# Altium PCB PCB_1313.PcbDoc (part 1 of 2) (continued)
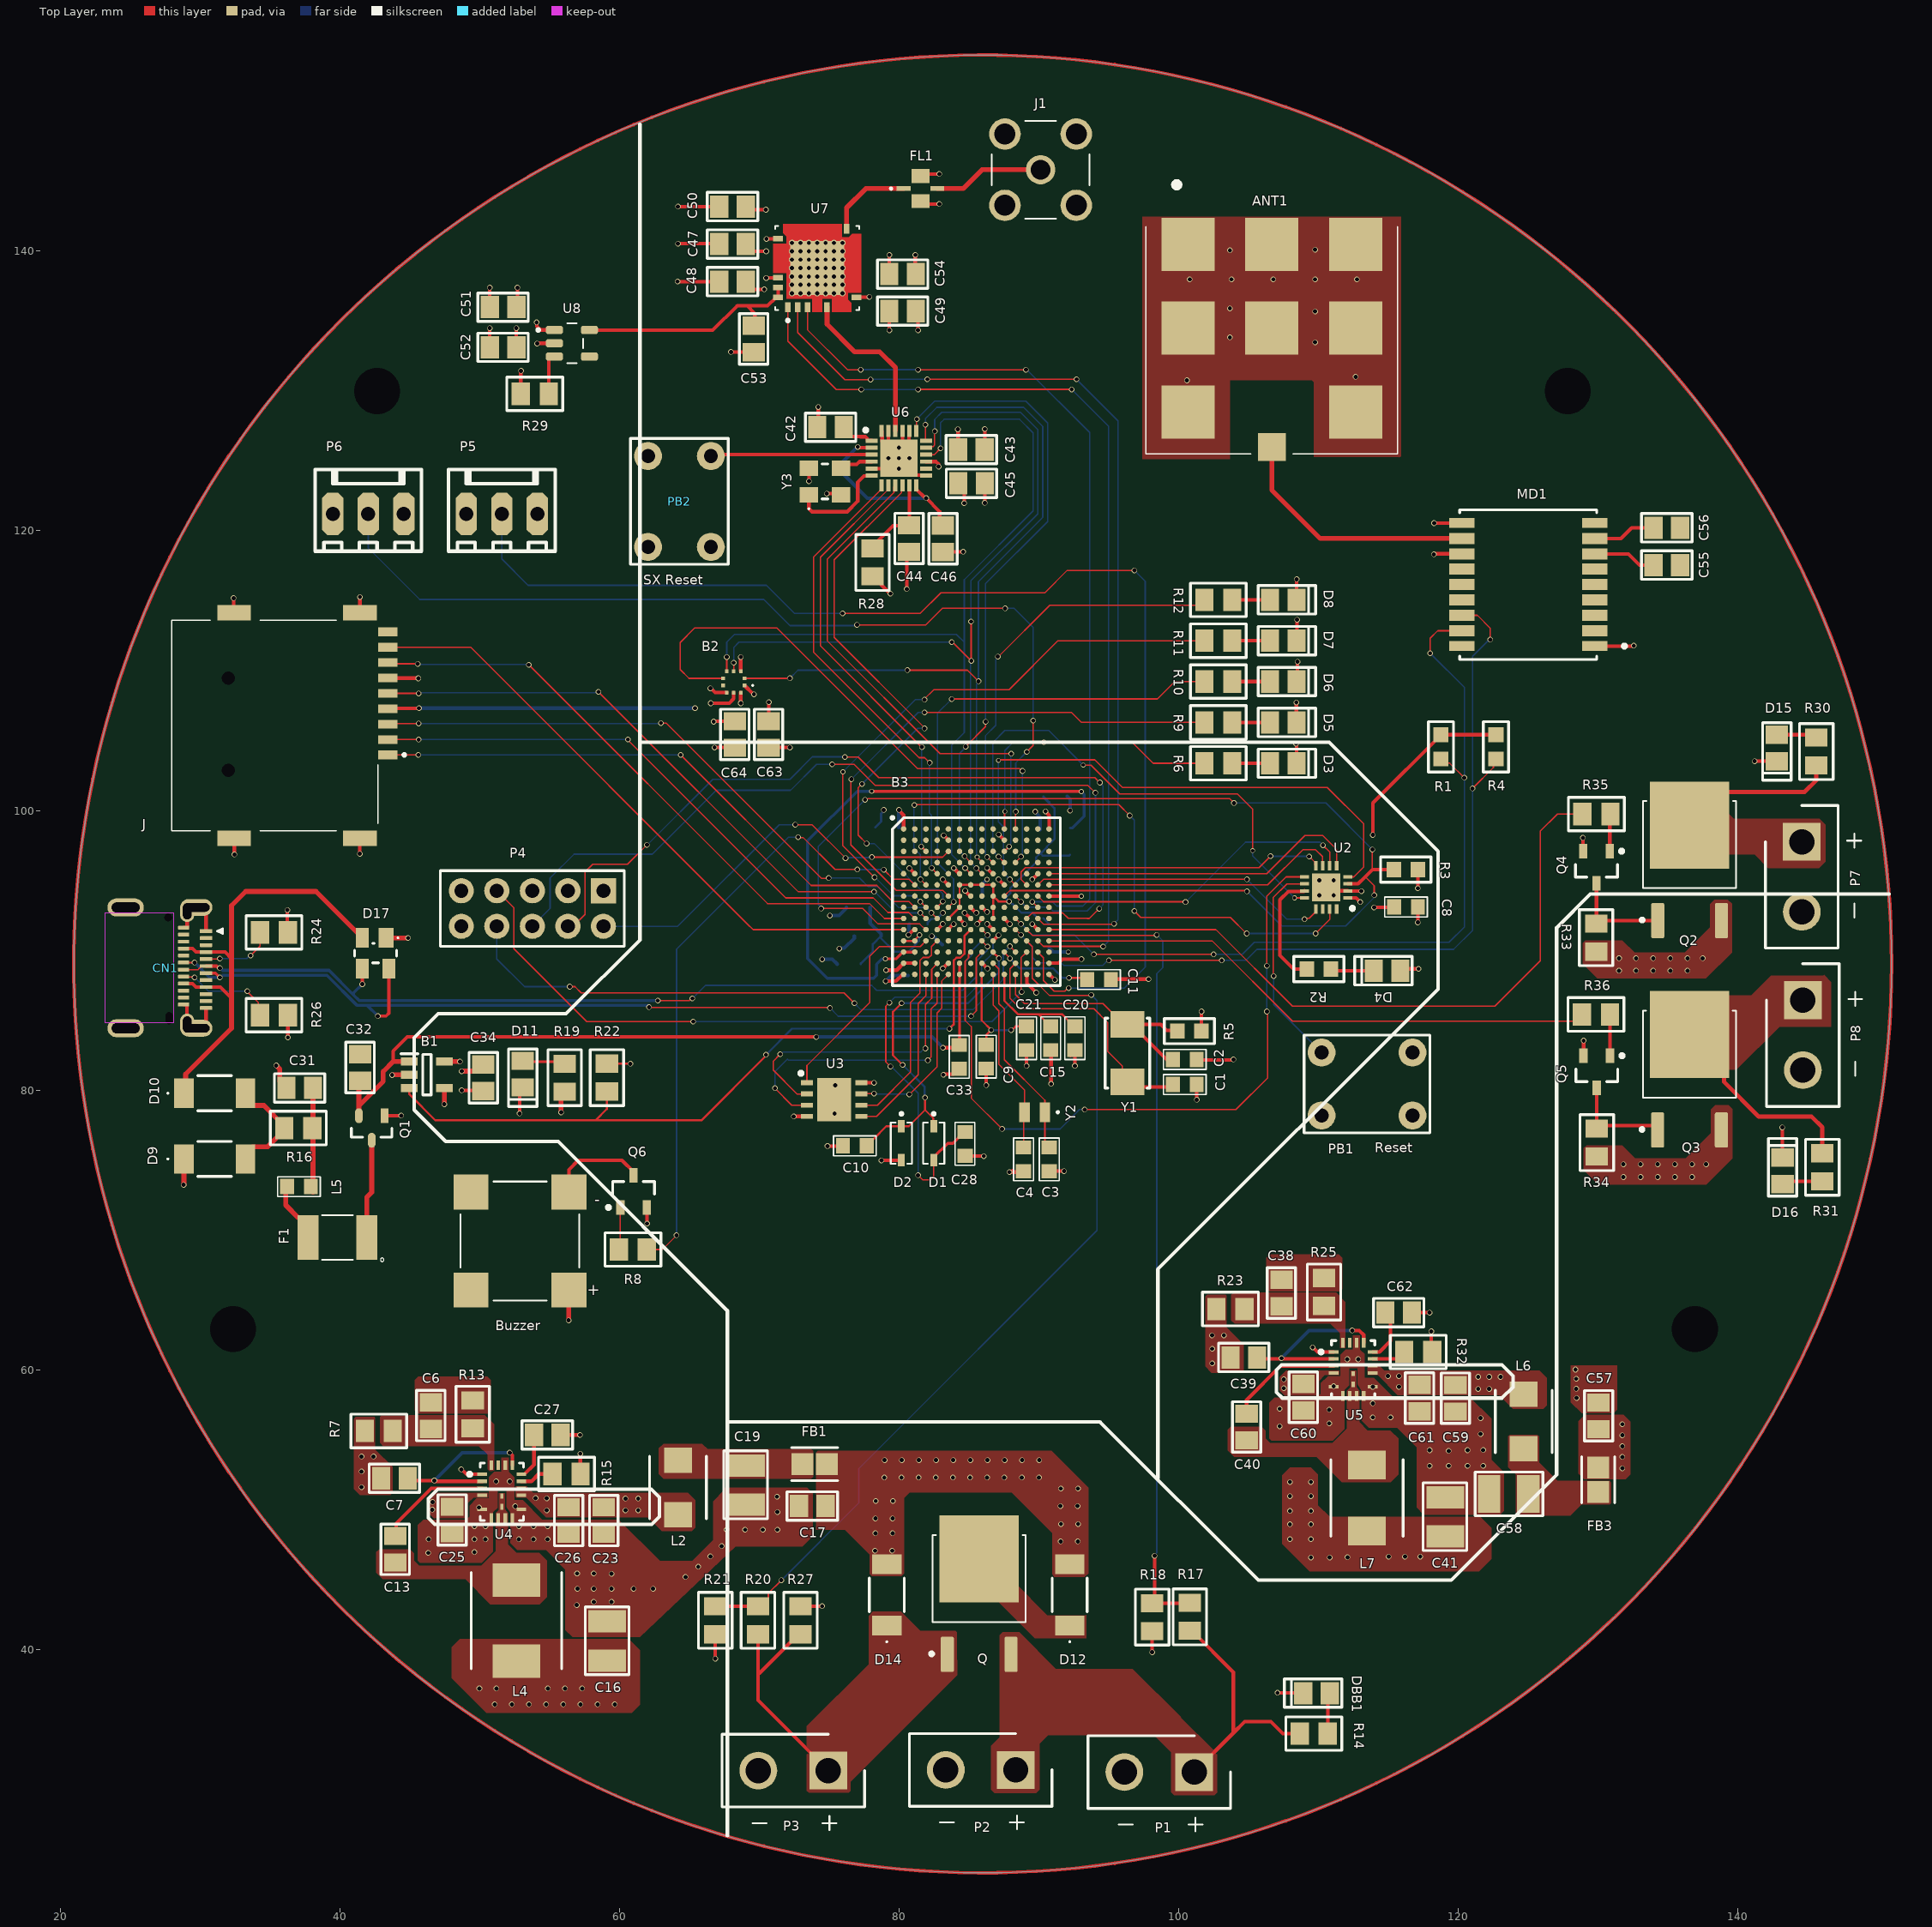
[diagram p0: Top Layer view]
## Footprints (in the part's own frame and the unit in brackets; to place one, negate y for a bottom-side part, rotate by r counter-clockwise, add the part's x,y. Pads: shape width x height; smd on the part's side, far side on the other; paste and mask are expansions set on the pad) (continued)
FP-MPZ2012-IPC_A [mm]
  rect 1.554x1.556 smd paste+0 mask+0: 1(-0.876,0) 2(0.876,0)
  silkscreen extent -1.65,-1.18 1.65,1.18, body extent -2.15,-1.28 2.15,1.28, height 0.25
FP-SOT23-IPC_C [mm]
  rect 1.059x0.547 smd paste+0 mask+0: 1(-0.877,0.915)
  rrect100% 1.059x0.547 smd paste+0 mask+0: 2(-0.877,-0.915) 3(0.877,0)
  silkscreen extent 0.03,-1.45 0.65,1.45, body extent -1.51,-1.55 1.51,1.55, height 0.25
FP-UDC-20_18_-AA-05-08-19-MFG [mm]
  rect 0.25x0.7 smd paste+0 mask+0: 1(-1.25,-1.4) 2(-0.75,-1.4) 3(-0.25,-1.4) 4(0.25,-1.4) 6(1.25,-1.4) 11(1.25,1.4) 13(0.25,1.4) 14(-0.25,1.4) 15(-0.75,1.4) 16(-1.25,1.4)
  rect 0.7x0.25 smd paste+0 mask+0: 7(1.9,-0.75) 8(1.9,-0.25) 9(1.9,0.25) 10(1.9,0.75) 17(-1.9,0.75) 18(-1.9,0.25) 19(-1.9,-0.25) 20(-1.9,-0.75)
  rect 0.356x0.22 smd paste+0 mask+0: 21(0.305,0)
  rect 0.4x0.22 smd paste+0 mask+0: 22(1.075,0)
  silkscreen extent -2.05,-2.42 2.05,1.55, body extent -2.35,-1.85 2.35,1.85, height 0.25
FUSM4632X85 [mm]
  rect 1.5x3.2 smd: 1(-2.1,0) 2(2.1,0)
  silkscreen extent -3.33,-1.6 1.1,1.73, body extent -2.27,-1.62 2.27,1.62, height 0.85
IHLP1616 [mm]
  rect 1.8x2 smd: 1(-1.95,0) 2(1.95,0)
  silkscreen extent -2.22,-2.03 2.22,2.03, body extent -2.22,-2.06 2.21,2.07, height 1.13
IHLP2020 [mm]
  rect 2.05x2.7 smd: 1(-2.35,0) 2(2.35,0)
  silkscreen extent -2.75,-2.59 2.75,2.59, body extent -2.72,-2.57 2.73,2.58, height 2.86
IHLP2525 [mm]
  rect 2.4x3.4 smd: 1(-2.907,-0.024) 2(2.893,-0.024)
  silkscreen extent -3.44,-3.26 3.42,3.21, body extent -3.59,-3.45 3.49,3.23, height 2.89
INF-SOT23_N [mm] "SOT23, 3-Leads, Body 2.9x1.3 mm, Pitch 0.95 mm, IPC Medium Density"
  rect 1.05x0.6 smd: 1(-1.15,0.95) 2(-1.15,-0.95) 3(1.15,0)
  silkscreen extent -1.27,-1.5 0.7,1.93, body extent -0.7,-1.5 0.7,1.5, height 1.1
JAE-DX07S024JJ3_V [mm] "THD, 24-Leads, Body 8.17x8.94mm, Pitch 0.5mm"
  oval 1.2x2.3 hole 0.6 slot 1.9 at 90 deg: 1(-4.32,2) 2(4.32,2)
  oval 1.5x1 hole 0.6 slot 1.1 at 0 deg: 1(-4.02,1.35) 2(4.02,1.35)
  oval 1.3x2.6 hole 0.7 slot 2 at 90 deg: 3(-4.32,-3.05) 4(4.32,-3.05)
  rrect25% 0.27x0.9 smd: A1(-2.625,2.7) A2(-2.125,2.7) A3(-1.625,2.7) A4(-1.125,2.7) A5(-0.625,2.7) A6(-0.125,2.7) A7(0.375,2.7) A8(0.875,2.7) A9(1.375,2.7) A10(1.875,2.7) A11(2.375,2.7) A12(2.875,2.7)
  rrect25% 0.27x0.8 smd: B1(2.625,1.1) B2(2.125,1.1) B3(1.625,1.1) B4(1.125,1.1) B5(0.625,1.1) B6(0.125,1.1) B7(-0.375,1.1) B8(-0.875,1.1) B9(-1.375,1.1) B10(-1.875,1.1) B11(-2.375,1.1) B12(-2.875,1.1)
  round 0 hole 0.6 unplated: H1(-3.6,0)
  round 0 hole 0.5 slot 0.85 at 0 deg unplated: H2(3.6,0.065)
  Top Layer keep-out region: -3.9,-4.55 3.9,-4.55 3.9,0.4 -3.9,0.4
  silkscreen extent -2.83,3.49 -2.43,3.89, body extent -4.47,-5.35 4.47,2.8, height 3.16
LFUS-SOT143-4_V [mm] "SOT143, 4-Leads, Body 3.04x1.4mm, Pitch 1.90mm"
  rect 1.4x1.1 smd: 1(-1.1,0.75)
  rect 1.4x0.9 smd: 2(-1.1,-0.95) 3(1.1,-0.95) 4(1.1,0.95)
  silkscreen extent -1.15,-1.5 0.7,1.65, body extent -0.7,-1.52 0.7,1.52, height 1.22
LINX_CONREVSMA001-G [mm]
  round 2.1 hole 1.4: 1(0,0)
  round 2.25 hole 1.5: S1(-2.55,2.55) S2(-2.55,-2.55) S3(2.55,-2.55) S4(2.55,2.55)
  silkscreen extent -3.5,-3.5 3.5,3.5, body extent -3.5,-3.5 3.5,3.5, height 9.79
MEM2075-00-140-01-A-Footprint-1 [mm]
  rect 0.62x1.4 smd: 1(2.2,7.725) 2(1.1,7.725) 3(0,7.725) 4(-1.1,7.725) 5(-2.2,7.725) 6(-3.3,7.725) 7(-4.4,7.725) 8(-5.5,7.725) 9(-6.6,7.725)
  rect 1.1x2.4 smd: 10(-7.98,5.725) 11(-7.98,-3.275) 12(8.17,-3.275) 13(8.17,5.725)
  round 0.475 hole 0.95 unplated: 14(-3.3,-3.695) 15(3.3,-3.695)
  silkscreen extent -7.43,-7.73 7.62,9, body extent -8.12,-7.95 8.32,7.9, height 1.4
MY2012 [mm]
  rect 0.75x1.4 smd: 1(-0.725,0) 2(0.725,0)
  silkscreen extent -1.7,-0.05 -1.6,0.05, body extent -1,-0.6 1,0.6, height 0.6
MY_0402 [mm]
  rect 0.7x0.9 smd: 1(-0.65,0) 2(0.65,0)
  silkscreen extent -1.04,-0.48 1.04,0.53, body extent -0.5,-0.25 0.5,0.25, height 0.34
MY_0603 [mm]
  rect 1x1.1 smd: 1(-0.85,0) 2(0.85,0)
  silkscreen extent -1.52,-0.71 1.52,0.71, body extent -0.8,-0.4 0.8,0.4, height 0.44
MY_0805 [mm]
  rect 1.3x1.6 smd: 1(-0.95,0) 2(0.95,0)
  silkscreen extent -1.8,-1.02 1.8,1.02, body extent -1,-0.62 1,0.63, height 0.59
MY_1210 [mm]
  rect 1.6x2.7 smd: 1(-1.4,0) 2(1.4,0)
  silkscreen extent -2.44,-1.57 2.41,1.55, body extent -1.6,-1.25 1.6,1.25, height 0.59
MY_6410-03 [mil]
  oct 60x120 hole 40: 1(100,0) 2(0,0) 3(-100,0)
  silkscreen extent -150,-105 150,125, body extent -152,-102 152,126, height 449
MY_LED_0805 [mm]
  rect 1.3x1.6 smd: A(0.95,-0.076) K(-0.95,-0.076)
  silkscreen extent -2.31,-1.09 1.8,0.94, body extent -1.06,-0.48 1.01,0.42, height 0.86
PMEG3050EP-QX-Footprint-1 [mm]
  rect 1.4x2.1 smd: 1(-2.2,0) 2(2.2,0)
  silkscreen extent -3.4,-1.25 1.2,1.25, body extent -2.35,-1.3 2.35,1.3, height 1.07
QFN50P300X300X65-17N [mm]
  rect 0.65x0.25 smd: 1(-1.55,0.75) 2(-1.55,0.25) 3(-1.55,-0.25) 4(-1.55,-0.75) 9(1.55,-0.75) 10(1.55,-0.25) 11(1.55,0.25) 12(1.55,0.75)
  rect 0.25x0.65 smd: 5(-0.75,-1.55) 6(-0.25,-1.55) 7(0.25,-1.55) 8(0.75,-1.55) 13(0.75,1.55) 14(0.25,1.55) 15(-0.25,1.55) 16(-0.75,1.55)
  rect 2x2 smd: 17(0,0)
  silkscreen extent -2,1.38 -1.75,1.62, body extent -1.55,-1.55 1.55,1.55, height 0.65
R0603-0.45 [mm] "Resistor Chip 0603 Height 0.45mm"
  rect 1.05x1.08 smd: 1(-0.865,0) 2(0.865,0)
  silkscreen extent -1.8,-0.9 1.8,0.9, body extent -0.8,-0.4 0.8,0.4, height 0.46
R0805-0.45 [mm] "Resistor Chip 0805 Height 0.45mm"
  rect 1.3x1.6 smd: 1(-1,0) 2(1,0)
  silkscreen extent -2,-1.2 2,1.2, body extent -1,-0.62 1,0.63, height 0.46
SKY65383-11-Footprint-1 [mm]
  rect 0.7x0.4 smd mask+0: 1(-2.863,2.037) 15(2.737,-2.163)
  rect 0.7x0.4 smd mask+0.05: 2(-2.863,1.337) 3(-2.863,0.637) 5(-2.863,-0.763)
  rect 3.878x3.878 smd paste-3 mask+0: 4_6_7_9_14_16_21_23_25(-0.063,-0.063)
  rect 0.4x0.7 smd mask+0: 8(-2.163,-2.863) 22(2.037,2.737) 28(-2.163,2.737)
  rect 0.4x0.7 smd mask+0.05: 26(-0.763,2.737) 27(-1.463,2.737)
  round 0.45 hole 0.3 mask+0: 29(-1.863,1.737) 30(-1.863,1.137) 31(-1.863,0.537) 32(-1.863,-0.063) 33(-1.863,-0.663) 34(-1.863,-1.263) 35(-1.863,-1.863) 36(-1.263,1.737) 37(-1.263,1.137) 38(-1.263,0.537) 39(-1.263,-0.063) 40(-1.263,-0.663) 41(-1.263,-1.263) 42(-1.263,-1.863) 43(-0.663,1.737) 44(-0.663,1.137) 45(-0.663,0.537) 46(-0.663,-0.063) 47(-0.663,-0.663) 48(-0.663,-1.263) 49(-0.663,-1.863) 50(-0.063,1.737) 51(-0.063,1.137) 52(-0.063,0.537) 53(-0.063,-0.063) 54(-0.063,-0.663) 55(-0.063,-1.263) 56(-0.063,-1.863) 57(0.537,1.737) 58(0.537,1.137) 59(0.537,0.537) 60(0.537,-0.063) 61(0.537,-0.663) 62(0.537,-1.263) 63(0.537,-1.863) 64(1.137,1.737) 65(1.137,1.137) 66(1.137,0.537) 67(1.137,-0.063) 68(1.137,-0.663) 69(1.137,-1.263) 70(1.137,-1.863) 71(1.737,1.737) 72(1.737,1.137) 73(1.737,0.537) 74(1.737,-0.063) 75(1.737,-0.663) 76(1.737,-1.263) 77(1.737,-1.863)
  Top Layer region: 1.687,2.137 2.187,2.137 2.437,2.387 3.087,2.387 3.087,-1.813 2.137,-1.813 2.137,-2.313 2.387,-2.563 2.387,-3.213 -1.813,-3.213 -1.813,-2.263 -2.313,-2.263 -2.563,-2.513 -3.213,-2.513 -3.213,-1.113 -2.263,-1.113 -2.263,-0.413 -3.213,-0.413 -3.213,0.287 -2.263,0.287 -2.263,2.137 -0.413,2.137 -0.413,3.087 1.687,3.087
  silkscreen extent -3.91,-3.06 2.94,2.94, body extent -3.06,-3.06 2.94,2.94, height 1.05
SON80P400X400X50-9N [mm]
  rect 0.85x0.35 smd: 1(-1.95,1.2) 2(-1.95,0.4) 3(-1.95,-0.4) 4(-1.95,-1.2) 5(1.95,-1.2) 6(1.95,-0.4) 7(1.95,0.4) 8(1.95,1.2)
  rect 2.4x3.1 smd: 9(0,0)
  silkscreen extent -2.5,1.75 -2.25,2, body extent -2.05,-2 2.05,2, height 0.5
SOT95P280X145-5N [mm]
  rect 1.2x0.6 smd: 1(-1.25,0.95) 2(-1.25,0) 3(-1.25,-0.95) 4(1.25,-0.95) 5(1.25,0.95)
  silkscreen extent -1.85,-1.45 0.3,1.5, body extent -1.4,-1.45 1.4,1.45, height 1.45
SX1280IMLTRT-Footprint-1 [mm]
  rect 0.85x0.3 smd: 1(-1.95,1.25) 2(-1.95,0.75) 3(-1.95,0.25) 4(-1.95,-0.25) 5(-1.95,-0.75) 6(-1.95,-1.25) 13(1.95,-1.25) 14(1.95,-0.75) 15(1.95,-0.25) 16(1.95,0.25) 17(1.95,0.75) 18(1.95,1.25)
  rect 0.3x0.85 smd: 7(-1.25,-1.95) 8(-0.75,-1.95) 9(-0.25,-1.95) 10(0.25,-1.95) 11(0.75,-1.95) 12(1.25,-1.95) 19(1.25,1.95) 20(0.75,1.95) 21(0.25,1.95) 22(-0.25,1.95) 23(-0.75,1.95) 24(-1.25,1.95)
  rect 2.65x2.65 smd: 25(0,0)
  silkscreen extent -2.5,1.88 -2.25,2.12, body extent -2,-2 2,2, height 1
"Tack Switch 6x6 1mm TH" [mm] "Tack Switch 6x6mm, 1mm button height TH"
  round 2 hole 1: 1(-3.25,2.25) 1(3.25,2.25) 2(-3.25,-2.25) 2(3.25,-2.25)
  silkscreen extent -4.5,-3.5 4.5,3.5, body extent -3.98,-3 3.98,3, height 4.41
TJ40S04M3L,LXHQ-Footprint-1 [mm]
  rrect25% 0.94x2.52 smd: 1(-2.28,-4.34) 3(2.28,-4.34)
  rect 5.67x6.23 smd paste-4: 2(0,2.48)
  silkscreen extent -3.52,-4.42 3.33,4.2, body extent -3.25,-4.95 3.25,5.03, height 2.52
TPS7A20285PDBVR-Footprint-1 [mm]
  rrect50% 1.21x0.59 smd: 1(-1.255,0.95) 2(-1.255,0) 3(-1.255,-0.95) 4(1.255,-0.95) 5(1.255,0.95)
  silkscreen extent -2.51,-1.44 0.8,1.44, body extent -1.4,-1.45 1.4,1.45, height 1.45
WE-BPF_0805 [mm] "Multilayer Chip Band-Pass Filter, body 2x1.25mm"
  rect 1.3x1 smd: 1(-1270,-1269.1) 3(-1270,-1270.9)
  rect 1x0.35 smd: 2(-1268.8,-1270) 4(-1271.2,-1270)
  silkscreen extent -1272.17,-1270.07 -1272.02,-1269.93, body extent -1271,-1270.62 -1269,-1269.37, height 0.95
XT30UPB-M [mm]
  round 2.7 hole 1.8: N(2.47,0.104)
  rect 2.7x2.7 hole 1.8: P(-2.53,0.104)
  silkscreen extent -5.13,-2.5 5.07,4.36, body extent -5.13,-2.5 5.07,2.7, height 10.7

## Part data
ANT1: library part CMP-093-000002-2, "Antennas 18*18*2mm DSGP.1575.18 GPS L1 & GALILEO E1 Ceramic Patch", Manufacturer_Name=Taoglas, Mouser Part Number=960-DSGP1575182A02, Datasheet Link=https://componentsearchengine.com/Datasheets/1/DSGP.1575.18.2.A.02.pdf, Design Item ID=DSGP.1575.18.2.A.02, Geometry.Height=2.25mm, Manufacturer_Part_Number=DSGP.1575.18.2.A.02, Mouser Price/Stock=https://www.mouser.co.uk/ProductDetail/Taoglas/DSGP.1575.18.2.A.02?qs=rrS6PyfT74e6t8VNMujI7Q%3D%3D, Source=DSGP.1575.18.2.A.02.SchLib
B1: library part CMP-087-000000-3, "LDO Voltage Regulators 1A Low-IQ Small-Size Low-Dropout (LDO) Regulator 5-SOT-23 -40 to 125", Manufacturer_Name="Texas Instruments", Mouser Part Number=595-TLV75733PDBVR, Arrow Part Number=TLV75733PDBVR, Arrow Price/Stock=https://www.arrow.com/en/products/tlv75733pdbvr/texas-instruments?region=nac, Datasheet Link=http://www.ti.com/lit/gpn/tlv757p, Design Item ID=TLV75733PDBVR, Geometry.Height=1.45mm, Manufacturer_Part_Number=TLV75733PDBVR, Mouser Price/Stock=https://www.mouser.co.uk/ProductDetail/Texas-Instruments/TLV75733PDBVR?qs=y6ZabgHbY%252BwAAzSntTW34w%3D%3D, Source=TLV75733PDBVR.SchLib
B2: library part CMP-117-000000-2, "Board Mount Pressure Sensors", Manufacturer_Name=BOSCH, Mouser Part Number=262-BMP390, Datasheet Link=https://www.bosch-sensortec.com/media/boschsensortec/downloads/datasheets/bst-bmp390-ds002.pdf, Design Item ID=BMP390, Geometry.Height=0.8mm, Manufacturer_Part_Number=BMP390, Mouser Price/Stock=https://www.mouser.co.uk/ProductDetail/Bosch-Sensortec/BMP390?qs=QNEnbhJQKvYQVfvRMgo2YA%3D%3D, Source=BMP390.SchLib
B3: library part CMP-072-000002-2, "IC MCU 32BIT EXT MEM 196MAPBGA", Manufacturer_Name=NXP, Mouser Part Number=771-MIMXRT1062DVJ6B, Arrow Part Number=MIMXRT1062DVJ6B, Arrow Price/Stock=https://www.arrow.com/en/products/mimxrt1062dvj6b/nxp-semiconductors?region=nac, Datasheet Link=https://www.nxp.com/docs/en/nxp/data-sheets/IMXRT1060CEC.pdf, Design Item ID=MIMXRT1062DVJ6B, Geometry.Height=1.52mm, Manufacturer_Part_Number=MIMXRT1062DVJ6B, Mouser Price/Stock=https://www.mouser.co.uk/ProductDetail/NXP-Semiconductors/MIMXRT1062DVJ6B?qs=BJlw7L4Cy7%252B08A9rbTO5WQ%3D%3D, Source=MIMXRT1062DVJ6B.SchLib
Buzzer: library part CMP-00027-00000-2
C1 C2 C3 C4 C10 C11 C14 C18 C24 C28 C29: library part CMP-015-000000-1, "None polar capacitor", ASiD Part Number=C-AS, Volte=50v, Component Type=Standard, Design Item ID="Cap ceramic", Pin Count=2, Source=PCB_Project1.SCHLIB
C5 C6 C7 C8 C9 C12 C13 C15 C16 C17 C19 C20 C21 C22 C23 C25 C26 C27 C30 C31 C32 C33 C34 C35 C36 C37 C38 C39 C40 C41 C42 C43 C44 C45 C46 C47 C48 C49 C50 C51 C52 C53 C54 C55 C56 C57 C58 C59 C60 C61 C62 C63 C64: library part CMP-015-000000-1, "None polar capacitor", ASiD Part Number=C-AS, Component Type=Standard, Design Item ID="Cap ceramic", Pin Count=2, Source=PCB_Project1.SCHLIB
CN1: library part CMP-002-00065-3, "USB-C Connector, 20 V, 1.25 A, -30 to 80 degC, RoHS, Tape and Reel", Connector Type=USB-C, Gender=Receptacle, Pins=28
D1 D2: library part CMP-100-000001-2, "BAT54HGW Schotty Diode", Component Type=Standard, Design Item ID=BAT54HGW, Pin Count=2, Source=BAT54W.SchLib
D3 D4 D5 D6 D7 D8 D11 D15 D16 DBB1: library part LED, "Typical INFRARED GaAs LED", ASiD Part Number=LED-AS
D9 D10 D12 D14: library part CMP-004-00003-1, "PMEG3050EP-Q - 30 V, 5 A low VF MEGA Schottky barrier rectifier"
D17: library part CMP-004-00005-1, "Trans Voltage Suppressor Diode, 5.5V V(RWM), Unidirectional, 3 Element, Silicon, TO-253AA", Pins=4, RoHS Compliant=Yes
F1: library part CMP-043-000000-2, "Polymeric PTC Resettable Fuse 15V 500mA Ih Surface Mount 1812 (4532 Metric), Concave", Package="1812 Bourns", Availability=Good, Check_prices=https://www.snapeda.com/parts/MF-MSMF050-2/Bourns%20-%20J.W.%20Miller/view-part/42625/?ref=eda, Design Item ID=MF-MSMF050-2, MF=Bourns, MP=MF-MSMF050-2, Price=None, Purchase-URL=https://pricing.snapeda.com/search/part/MF-MSMF050-2/?ref=eda, SnapEDA_Link=https://www.snapeda.com/parts/MF-MSMF050-2/Bourns%20-%20J.W.%20Miller/view-part/42625/?ref=snap, Source=LEEM.SchLib
FB1 FB3: library part CMP-006-00000-1, "Ferrite Chip, 1 Function(s), 5A", Current Rating=5A, Max Operating Temperature=125°C, Min Operating Temperature=-55°C, Mounting Technology="Surface Mount", RoHS Compliant=Yes
FL1: library part CMP-00025-00001-1, "Band Pass Filter", RoHS Compliant=Yes
J: library part CMP-019-00001-1, "Memory Card Connectors Micro SD Push-Push, SMT, 1.40mm Profile, With Peg, Open Switch, T&R"
J1: library part CMP-002-00003-1, "RP-SMA Female Through-Hole Mount Connector, Gold", Case/Package=None, Check_prices=https://www.snapeda.com/parts/CONREVSMA001-G/Linx+Technologies+Inc./view-part/?ref=eda, Component Type=Standard, Design Item ID=CONREVSMA001-G, MF="Linx Technologies", MP=CONREVSMA001-G, Pins=5, SnapEDA_Link=https://www.snapeda.com/parts/CONREVSMA001-G/Linx+Technologies+Inc./view-part/?ref=snap, Source=CONREVSMA001-G.SchLib
L1: library part CMP-021-000000-1, ASiD Part Number=Inductor-AS, Current=1A, Component Type=Standard, Design Item ID=Inductor, Pin Count=2, Source=PCB_Project1.SCHLIB
L2 L4 L6 L7: library part CMP-021-000000-3, ASiD Part Number=Inductor-AS, Current=1A, Component Type=Standard, Design Item ID=Inductor, Pin Count=2, Source=PCB_Project1.SCHLIB
L3 L5: library part CMP-021-000000-1, "Inductor", ASiD Part Number=Inductor-AS, Current=1A, Component Type=Standard, Design Item ID=Inductor, Pin Count=2, Source=PCB_Project1.SCHLIB
MD1: library part CMP-207130-000026-1, "GNSS LCC RX, ROM, TCXO, LNA, SAW"
P1 P2 P3 P7 P8: library part CMP-002-00004-3, "XT30PW-M公头 Socket,DCsupply,XT30,male,PIN:2"
P4: library part CMP-004-000014-1, Component Type=Standard, Design Item ID="Header 2x5", Pin Count=10, Source=Connectors.SchLib
P5 P6: library part CMP-016-000017-1, "Header, 3-Pin", ASiD Part Number="Header 3-AS", Component Type=Standard, Design Item ID="Header 3", Pin Count=3, Source=PCB_Project1.SCHLIB
PB1 PB2: library part "Push Button", "Push Button"
Q Q2 Q3: library part CMP-013-00003-2, "Mosfet P-ch 40V 40A Dpak"
Q1: library part CMP-013-00002-1, "P-Channel 20 V 52 mOhm Surface Mount Enhancement Mode Mosfet - SOT-23-3", Case/Package=SOT-23, Max Operating Temperature=150°C, Min Operating Temperature=-55°C, Mounting Technology="Surface Mount", Pins=3, RoHS Compliant=Yes
Q4 Q5 Q6: library part CMP-013-00004-1, "Trans GP BJT NPN 45V 0.5A 500mW Automotive 3-Pin SOT-23 T/R", Case/Package=SOT, Max Operating Temperature=150°C, Pins=3, RoHS Compliant=Yes
R1 R2 R3 R4 R5 R6 R7 R8 R9 R10 R11 R12 R13 R14 R15 R16 R17 R18 R19 R20 R21 R22 R23 R24 R25 R26 R27 R28 R29 R30 R31 R32 R33 R34 R35 R36: library part R, "Resistor, generic"
U2: library part CMP-068-000000-2, "ARMÂ®CortexÂ®-M0+ Kinetis KL02å¾®æŽ§åˆ¶å™¨IC 32ä½48MHz 32KBï¼ˆ32K x 8ï¼‰é—ªå­˜16-QFNï¼ˆ3x3ï¼‰", Package="QFN-16 NXP Semiconductors", Availability=Unavailable, Component Type=Standard, Design Item ID=MKL02Z32VFG4, MF="NXP USA", MP=MKL02Z32VFG4, Pin Count=17, Price=None, SnapEDA_Link=https://www.snapeda.com/parts/MKL02Z32VFG4/NXP%20USA%20Inc./view-part/492537/?ref=snap, Source=SnapEDAsch.SchLib
U3: library part CMP-078-000000-2, "NOR Flash spiFlash, 64M-bit, DTR, 4Kb Uniform Sector", Arrow Part Number="W25Q64JVXGIM TR", Manufacturer_Name=Winbond, Mouser Part Number=454-W25Q64JVXGIMTR, Arrow Price/Stock=https://www.arrow.com/en/products/w25q64jvxgim-tr/winbond-electronics?region=nac, Datasheet Link=https://www.winbond.com/resource-files/w25q64jv_dtr%20revj%2003272018%20plus.pdf, Design Item ID=W25Q64JVXGIM_TR, Geometry.Height=0.5mm, Manufacturer_Part_Number="W25Q64JVXGIM TR", Mouser Price/Stock=https://www.mouser.co.uk/ProductDetail/Winbond/W25Q64JVXGIM-TR?qs=qSfuJ%252Bfl%2Fd5DYf7S8uijYQ%3D%3D, Source=W25Q64JVXGIM_TR.SchLib
U4 U5: library part CMP-012-00000-1, "Switching Regulator, Current-mode, 3000kHz Switching Freq-Max, PQCC18", Case/Package=HVQCCN, Max Operating Temperature=150°C, Min Operating Temperature=-40°C, Pins=18, RoHS Compliant=Yes
U6: library part CMP-00025-00000-6, "Telecom Circuit", RoHS Compliant=Yes
U7: library part CMP-014-00003-2, "RF and Baseband Circuit", Case/Package=QCCN, Max Operating Temperature=85°C, Min Operating Temperature=-40°C, Nominal Supply Voltage=3.3V, Channels=1, Pins=28, RoHS Compliant=Yes
U8: library part CMP-012-00003-1, "300-mA, ultra-low-noise, low-IQ, low-dropout (LDO) linear regulator with high PSRR 5-SOT-23 -40 to 125"
Y1: library part XTAL, "Crystal, Generic"
Y2: library part CMP-005-000000-3, "Crystal, Generic", Component Type=Standard, Design Item ID=XTAL, Pin Count=2, Source=IFS_Altium.SchLib
Y3: library part CMP-003-00000-1, "Crystals 52.000 MHz 12 pF ECS-33B +/-7/15 ppm -40 - +85C +/-1 ppm Aging 3225 4-SMD RoHS"

## Free pads (board coordinates)
  round 1.524 hole 3.3: 1(136.906,62.916) 2(32.36,62.916) 3(127.813,130) 4(42.672,130)

## Via types
v1: diameter 0.4, hole 0.3, Top Layer to Bottom Layer, 530 vias
v2: diameter 0.35, hole 0.25, Top Layer to Bottom Layer, 14 vias

## Nets (pads, with @x,y where several pads share a name; then routed paths per layer and width w, separated by ;. In a path a pad name is that pad's centre, name@x,y a point inside that pad or via, vN(x,y) a via of type N, cw(c..) or ccw(c..) an arc to the next point about the centre after c; other vN are vias at no path point)
2: B3.F2 R8.1 | length 44.8
  Top Layer w0.1: R8.1@61.96,68.605 63.068,68.605 v1(64.084,69.621) ; v1(72.78,98.094) 72.807,98.066 73.13,98.066 75.413,95.783 v1(77.013,95.783) ; v1(78.907,95.765) 79.601,95.072 80.728,95.072 B3.F2@81.122,94.678
  Bottom Layer w0.1: v1(64.084,69.621) 64.084,90.094 72.085,98.095 v1(72.78,98.094) ; v1(77.013,95.783) 77.022,95.774 78.898,95.774 v1(78.907,95.765)
3: B3.G5 R9.1 | length 40.7
  Top Layer w0.1: v1(76.591,102.24) 76.548,102.196 76.548,97.544 79.807,94.284 83.122,94.284 B3.G5@83.522,93.884 ; v1(81.812,107.01) 92.324,107.01 93.035,106.299 R9.1@101.829,106.299
  Top Layer w0.15: B3.G5@83.522,93.878 B3.G5@83.522,93.884
  Bottom Layer w0.1: v1(76.591,102.24) 81.362,107.01 v1(81.812,107.01)
4: B3.H5 R10.1 | length 34.5
  Top Layer w0.1: B3.H5@83.522,93.078 83.522,93.088 83.896,93.462 v1(83.896,93.472) ; v1(83.769,107.975) 98.475,107.975 99.72,109.22 R10.1@101.829,109.22
  Bottom Layer w0.1: v1(83.769,107.975) 82.753,106.959 82.753,96.244 83.896,95.101 v1(83.896,93.472)
5: B3.H3 R11.1 | length 42.8
  Top Layer w0.1: v2(75.987,102.761) 75.971,102.746 75.971,97.49 v1(78.24,95.221) ; v1(81.515,93.482) v1(81.515,93.482) 81.92,93.078 B3.H3@81.922,93.078 ; v1(81.813,107.92) 81.813,107.975 82.477,108.639 87.862,108.639 91.364,112.141 R11.1@101.829,112.141
  Bottom Layer w0.1: v2(75.987,102.761) 81.146,107.92 v1(81.813,107.92) ; v1(78.24,95.221) 78.286,95.221 79.603,93.904 81.093,93.904 v1(81.515,93.482)
6: B3.D9 R12.1 | length 31.8
  Top Layer w0.1: v1(86.29,96.665) 86.312,96.665 86.697,96.281 B3.D9@86.722,96.281 ; v1@87.108,111.01 90.78,114.681 101.598,114.681 101.829,114.912 R12.1@101.829,115.062
  Top Layer w0.15: B3.D9@86.722,96.278 B3.D9@86.722,96.281
  Bottom Layer w0.1: v1(86.29,96.665) 86.29,96.747 86.169,96.868 86.169,105.346 86.919,106.096 86.919,110.796 87.063,110.94 v1(87.063,111.005)
8: B3.A11 P6.2 | length 68.3
  Top Layer w0.1: v1(76.988,113.269) 81.9,113.269 83.083,114.452 v1(87.579,114.452) ; B3.A11@88.322,98.678 88.332,98.687 88.332,99.914 v1(88.341,99.924) ; v1(89.129,104.191) 89.586,104.648 v1(89.586,106.426)
  Bottom Layer w0.1: P6.2@42.037,121.209 42.037,118.77 45.72,115.087 70.333,115.087 72.198,113.222 76.941,113.222 v1(76.988,113.269) ; v1(87.579,114.452) 88.231,114.452 89.586,113.098 v1(89.586,106.426) ; v1(88.341,99.924) 88.341,103.403 v1(89.129,104.191)
9: B3.A10 R6.1 | length 20.8
  Top Layer w0.1: B3.A10@87.522,98.678 87.542,98.698 87.542,99.908 v2(87.561,99.928) ; v2(90.348,104.877) 96.672,104.877 98.171,103.378 R6.1@101.829,103.378
  Bottom Layer w0.1: v2(87.561,99.928) 87.561,104.287 88.151,104.877 v2(90.348,104.877)
15: B3.M12 P4.7 | length 47
  Top Layer w0.1: P4.7@51.232,94.259 52.451,93.04 52.451,90.119 57.666,84.904 v1(65.279,84.904) ; v1(88.761,87.032) 88.714,87.078 88.714,89.471 B3.M12@89.122,89.878 B3.M12@89.122,89.878
  Bottom Layer w0.1: v1(65.279,84.904) 86.633,84.904 v1(88.761,87.032)
17: B3.J12 P4.4 | length 60.7
  Top Layer w0.1: P4.4@56.312,91.719 56.686,91.719 57.544,92.578 57.544,95.619 58.09,96.164 60.581,96.164 v1(61.966,97.549) ; v1(76.118,103.82) 77.078,103.82 78.55,102.348 93.99,102.348 94.341,101.997 v1(94.36,101.997) ; B3.J12@89.129,92.278 89.129,92.285 89.523,92.679 91.701,92.679 92.094,92.285 93.439,92.285 93.447,92.278 93.606,92.278 v1(94.31,92.982)
  Top Layer w0.15: B3.J12@89.122,92.278 B3.J12@89.129,92.278
  Bottom Layer w0.1: v1(61.966,97.549) 62.004,97.587 62.027,97.587 66.669,102.229 72.188,102.229 73.794,103.835 76.103,103.835 v1(76.118,103.82) ; v1(94.31,92.982) 94.59,93.261 94.59,101.732 94.36,101.962 v1(94.36,101.997)
"20 / ASD": B3.L13 U7.1 | length 70.1
  Top Layer w0.1: U7.1@72.043,135.989 72.043,133.57 75.509,130.104 v1(77.29,130.104) ; v1(81.356,130.112) v1(92.342,130.112) ; B3.L13@89.922,90.678 89.925,90.678 90.32,90.283 94.574,90.283 v1(94.585,90.271)
  Bottom Layer w0.1: v1(77.29,130.104) 77.294,130.108 81.353,130.108 v1(81.356,130.112) ; v1@92.304,130.15 v1(92.342,130.112) 94.971,127.483 94.971,90.656 v1(94.585,90.271)
"21 / ATX": B3.J13 U7.2 | length 69.1
  Top Layer w0.1: U7.2@72.743,135.989 72.746,135.986 72.746,134.181 76.113,130.814 v1(77.963,130.814) ; v1(82.014,130.835) v1(92.685,130.835) ; B3.J13@89.922,92.278 90.329,91.871 95.339,91.871 v1(95.371,91.903)
  Bottom Layer w0.1: v1(77.963,130.814) 77.974,130.825 82.003,130.825 v1(82.014,130.835) ; v1(92.685,130.835) 95.651,127.869 95.651,92.183 v1(95.371,91.903)
"22 / ARX": B3.H13 U7.3 | length 63.2
  Top Layer w0.1: U7.3@73.443,135.989 73.443,134.38 76.302,131.521 77.252,131.521 v1(77.254,131.523) ; v1(81.356,131.521) v1(89.065,131.521) ; v1(89.523,93.472) 89.525,93.472 89.919,93.078 B3.H13@89.922,93.078
  Bottom Layer w0.1: v1(77.254,131.523) 77.255,131.522 v1(81.356,131.521) v1(81.356,131.521) ; v1(89.065,131.521) 89.129,131.521 93.624,127.025 93.624,93.657 93.136,93.169 91.26,93.169 90.957,93.472 v1(89.523,93.472)
23: B3.M13 P5.2 | length 90.5
  Top Layer w0.1: v1(75.957,114.095) 81.506,114.095 82.982,115.57 90.424,115.57 92.024,117.17 v1(96.825,117.17) ; B3.M13@89.922,89.878 90.32,89.48 90.32,87.848 91.09,87.078 91.852,87.078 92.074,87.3 v1(92.126,87.3)
  Bottom Layer w0.1: P5.2@51.587,121.209 51.587,117.983 53.467,116.103 70.51,116.103 72.519,114.095 v1(75.957,114.095) ; v1(92.126,87.3) 96.095,87.3 97.596,88.801 97.596,116.399 v1(96.825,117.17)
24: B3.K14 R35.1 | length 51.5
  Top Layer w0.1: B3.K14@90.722,91.478 102.654,91.478 108.128,86.004 122.606,86.004 125.857,89.256 125.857,98.527 127.076,99.746 R35.1@128.861,99.746
25: B3.L14 R36.1 | length 40.7
  Top Layer w0.1: B3.L14@90.722,90.678 102.387,90.678 108.128,84.938 128.353,84.938 R36.1@128.835,85.42
28: B3.C5 P4.2 | length 28.9
  Top Layer w0.1: v1(72.568,98.984) 73.78,98.984 76.165,96.599 v1@76.165,96.596 ; v1(78.054,96.672) 78.061,96.665 83.11,96.665 B3.C5@83.522,97.078
  Bottom Layer w0.1: P4.2@58.852,91.719 64.16,91.719 71.425,98.984 v1(72.568,98.984) ; v1(76.166,96.598) 76.204,96.635 78.017,96.635 v1(78.054,96.672)
30: B3.E4 U6.7 | length 33.7
  Top Layer w0.1: U6.7@78.735,123.247 78.735,122.972 73.889,118.126 73.889,111.319 81.428,103.78 81.815,103.78 v1(82.184,103.41) ; v1@82.334,95.875 B3.E4@82.722,95.487
  Top Layer w0.254: v1@82.334,95.875 v1(82.334,95.884) ; B3.E4@82.722,95.478 B3.E4@82.722,95.487
  Bottom Layer w0.1: v1(82.184,103.41) 82.171,103.397 82.171,99.801 82.324,99.648 82.324,95.895 v1(82.334,95.884)
31: B3.C3 U6.8 | length 31.4
  Top Layer w0.1: U6.8@79.235,123.247 79.235,122.972 74.371,118.108 74.371,111.782 81.618,104.535 v1(81.635,104.535)
  Top Layer w0.15: v1(81.582,97.418) B3.C3@81.922,97.078 B3.C3@81.928,97.078
  Bottom Layer w0.1: v1(81.582,97.418) 81.609,97.444 81.609,104.509 v1(81.635,104.535)
32: B3.C10 U6.9 | length 36.8
  Top Layer w0.1: U6.9@79.735,123.247 79.635,123.147 79.635,122.738 74.854,117.958 74.854,112.141 82.934,104.061 v1(88.015,104.061) ; B3.C10@87.528,97.084 v1(87.862,97.418)
  Top Layer w0.15: B3.C10@87.528,97.078 B3.C10@87.528,97.084
  Bottom Layer w0.1: v1(87.862,97.418) 87.862,97.499 87.977,97.614 87.977,104.023 v1(88.015,104.061)
33: B3.H4 U6.10 | length 40.9
  Top Layer w0.1: v1(77.35,101.896) 77.078,101.624 77.078,98.233 v1(77.673,97.638) ; U6.10@80.235,123.247 80.165,123.177 80.165,122.73 75.362,117.927 75.362,112.37 81.812,105.919 v1(81.812,105.871) ; B3.H4@82.722,93.078 82.722,93.088 83.122,93.488 v1(83.122,93.497)
  Bottom Layer w0.1: v1(77.35,101.896) 81.325,105.871 v1(81.812,105.871) ; v1(77.673,97.638) 78.226,97.638 81.535,94.328 82.832,94.328 83.127,94.033 v1@83.127,93.503
40: B3.L12 R20.1 R21.2 | length 64.5
  Top Layer w0.1: R20.1@70.051,43.088 70.651,43.688 70.651,44.032 v1(71.577,44.958) ; B3.L12@89.122,90.672 89.523,90.271 89.523,87.998 90.737,86.784 93.724,86.784 v1(93.748,86.807)
  Top Layer w0.254: R21.2@66.853,43.088 R20.1@69.901,43.088 ; B3.L12@89.122,90.672 B3.L12@89.122,90.678
  Bottom Layer w0.1: v1(71.577,44.958) 77.114,50.495 77.114,52.934 94.158,69.977 94.158,86.398 v1(93.748,86.807)
41: B3.K12 R17.1 R18.2 | length 60.7
  Top Layer w0.1: B3.K12@89.129,91.478 89.129,91.471 89.541,91.059 98.376,91.059 v1(98.426,91.108)
  Top Layer w0.254: B3.K12@89.122,91.478 B3.K12@89.129,91.478 ; v1(98.273,46.711) 98.273,43.494 R18.2@98.095,43.316 R17.1@101.016,43.316
  Bottom Layer w0.1: v1(98.273,46.711) 98.273,46.766 98.426,46.919 98.426,88.341 98.857,88.772 98.857,90.677 v1(98.426,91.108)
+3V3: B2.1 B2.10 C38.2 C41.2 C43.1 C45.1 C47.2 C48.2 C49.2 C50.2 C54.1 C55.1 C56.1 C63.1 C64.1 L7.2 MD1.7 MD1.8 R25.1 R28.1 U5.1 U6.15 U7.8 U7.22 U7.26 | length 33.3
  Top Layer w0.254: v1(66.739,106.352) 66.775,106.388 C64.1@68.25,106.388 ; C64.1@68.25,105.969 C64.1@68.674,106.393 ; v1(68.674,107.671) B2.10@68.674,108.433 ; B2.1@68.937,108.945 68.945,108.945 69.584,108.306 v1(69.621,108.306) ; C48.2@69.037,137.82 69.037,137.785 69.56,137.262 v1(70.358,137.262) ; C50.2@69.037,143.18 69.254,142.963 v1(70.47,142.963) ; C47.2@69.426,140.889 C47.2@69.037,140.5 69.548,139.989 v1(70.495,139.989) ; v1(70.495,138.083) 70.498,138.086 71.34,138.086 U7.26@71.343,138.089 ; v1(70.51,140.868) 70.521,140.879 71.332,140.879 U7.22@71.343,140.889 ; C63.1@70.664,106.388 70.688,106.413 v1(70.688,107.747) ; U7.8@76.943,136.689 76.962,136.709 77.857,136.709 v1(77.876,136.728) ; R28.1@78.128,116.729 v1@79.354,115.503 ; R28.1@78.264,116.427 R28.1@78.285,116.427 ; v1(79.299,134.341) C49.2@79.299,135.712 ; C54.1@79.299,138.354 v1(79.299,139.725) ; U6.15@81.935,124.947 81.936,124.946 82.637,124.946 82.811,124.771 82.811,124.607 v1(82.83,124.588) ; C45.1@83.703,123.916 C45.1@84.226,123.393 84.658,122.961 v1(84.658,121.971) ; v1(84.201,127.254) 84.216,127.239 C43.1@84.216,125.806 ; v1(109.576,61.609) 109.602,61.609 109.927,61.284 U5.1@111.073,61.284 ; MD1.7@129.743,118.354 129.759,118.339 132.156,118.339 132.944,117.551 C55.1@133.949,117.551 ; MD1.8@129.743,119.454 131.621,119.454 132.385,120.218 C56.1@133.949,120.218
  other v1: 109.449,46.582 110.795,46.582 112.065,46.595 115.011,46.646 116.18,46.646 117.272,46.646 107.95,47.891 109.449,47.891 107.95,48.957 109.449,48.957 107.95,49.91 109.449,49.91 107.95,50.964 109.449,50.964 107.95,51.98 109.449,51.98 79.375,115.503
+3V3T: B1.5 B3.E6 B3.E9 B3.F5 B3.F10 B3.J6 B3.J10 B3.K4 B3.K5 B3.N14 B3.P12 C8.1 C34.1 C35.1 C36.1 C37.1 D2.A D4.A J.4 L3.2 R1.2 R4.2 R19.2 R22.1 U2.1 U3.8 | length 61.4
  Top Layer w0.15: R22.1@59.106,81.899 59.115,81.89 v1(60.782,81.89)
  Top Layer w0.25: J.4@43.437,107.272 43.459,107.293 45.648,107.293 v1(45.669,107.315)
  Top Layer w0.254: U3.8@77.305,80.531 v1(78.207,80.531) ; v1(78.74,74.981) 80.137,74.981 D2.A@80.162,75.006 ; B3.K4@82.722,91.478 82.722,91.482 83.119,91.88 v1(83.119,91.884) ; v1(83.122,95.072) 83.516,94.678 B3.F5@83.522,94.678 ; B3.K5@83.522,91.497 83.522,91.523 83.87,91.871 v1(83.896,91.871) ; v1(83.909,95.878) 84.309,95.478 B3.E6@84.322,95.478 ; B3.J6@84.319,92.278 84.311,92.27 84.311,92.246 v1(84.685,91.871) ; v1(86.29,95.884) 86.29,95.875 86.688,95.478 B3.E9@86.697,95.478 ; v1(87.11,95.072) 87.119,95.072 87.513,94.678 B3.F10@87.522,94.678 ; B3.J10@87.522,92.278 87.922,91.878 v1(87.922,91.871) ; B3.P12@89.122,88.272 89.142,88.252 89.142,87.641 v1(89.81,86.973) ; B3.N14@90.722,89.078 91.396,89.078 91.685,89.367 v1(93.036,89.367) ; U2.1@112.091,93.751 112.675,93.751 v1(112.979,93.447) ; v1(113.875,98.25) 113.875,100.543 R1.2@118.745,105.413 R4.2@122.682,105.413 ; v1(113.97,93.066) 115.368,93.066 C8.1@115.406,93.104 ; D4.A@115.837,88.544 115.964,88.671 v1(117.145,88.671)
  Top Layer w0.35: B1.5@47.478,82.052 48.58,82.052 v1(48.59,82.042) ; v1(48.717,81.356) 48.725,81.364 49.792,81.364 C34.1@50.267,81.839 ; v1(55.829,78.41) 55.829,79.875 R19.2@55.843,79.889
  Bottom Layer w0.15: C35.1@78.288,98.781 C35.1@78.713,99.206 ; v1@78.907,99.969 v1(78.907,100.037) ; C37.1@82.028,91.871 82.028,91.971 82.303,92.246 82.701,92.246 v1(83.134,92.679) ; C36.1@83.11,90.414 C36.1@83.119,90.405
  Bottom Layer w0.2: C35.1@78.713,99.206 78.713,99.775 v1@78.907,99.969
  Bottom Layer w0.25: v1(45.669,107.315) v1(65.405,107.315) ; v1(82.334,91.019) 82.363,90.99 82.484,90.99 83.06,90.414 C36.1@83.11,90.414
  Bottom Layer w0.254: v1(75.722,90.126) 75.75,90.154 76.082,90.154 76.799,90.871 L3.2@76.799,91.021
+5V: Buzzer.P C6.2 C16.2 C51.2 C52.2 D9.1 L4.2 P4.1 P5.1 P6.1 R13.1 R29.2 U4.1 U8.1 | length 11.8
  Top Layer w0.254: v1(48.692,52.883) 48.718,52.883 49.068,52.533 U4.1@50.187,52.533 ; C52.2@52.629,133.121 v1(52.629,134.493) ; C51.2@52.629,135.992 52.705,136.068 v1(52.705,137.389) ; R29.2@52.94,129.794 52.94,131.426 v1(52.959,131.445) ; v1(54.077,134.899) 54.095,134.881 54.095,134.627 54.361,134.361 U8.1@55.347,134.361
  Top Layer w0.35: v1(28.829,73.228) 28.854,73.254 D9.1@28.854,75.082 ; v1(56.368,63.536) 56.383,63.55 Buzzer.P@56.383,65.715
  other v1: 51.079,36.084 52.305,36.084 53.531,36.084 54.757,36.084 55.983,36.084 57.209,36.084 58.435,36.084 59.661,36.084 49.98,37.211 51.206,37.211 54.884,37.211 56.11,37.211 57.336,37.211
+5VT: B1.1 B3.N6 B3.P6 C32.1 C33.1 Q1.2 | length 55.8
  Top Layer w0.2: 84.322,83.739 B3.P6@84.322,88.278 B3.N6@84.322,89.078
  Top Layer w0.25: 43.825,82.052 43.825,82.789 44.841,83.805 v1(74.072,83.805) ; v1(83.131,83.034) 84.128,83.034 84.322,83.228 84.322,83.739
  Top Layer w0.35: Q1.2@41.368,78.169 41.368,78.884 ; C32.1@41.453,80.67 41.368,80.585 41.368,78.884 ; B1.1@44.978,82.052 43.825,82.052 43.104,81.331 43.104,80.62 41.368,78.884
  Bottom Layer w0.25: v1(74.072,83.805) 82.36,83.805 v1(83.131,83.034)
+9V6: C17.1 C57.1 D12.2 D14.2 FB1.1 FB3.1 Q2.3 Q3.3 R33.2 R34.2 | length 0
  other v1: 78.279,47.066 79.505,47.066 91.553,47.727 92.779,47.727 78.305,48.311 79.531,48.311 91.578,48.971 92.804,48.971 78.305,49.378 79.531,49.378 91.54,50.267 92.766,50.267 78.33,50.622 79.556,50.622 91.565,51.511 92.791,51.511 78.942,52.299 80.167,52.299 81.393,52.299 82.619,52.299 83.845,52.299 85.071,52.299 86.297,52.299 87.523,52.299 88.771,52.299 89.997,52.299 131.724,52.959 78.967,53.543 80.193,53.543 81.419,53.543 82.645,53.543 83.871,53.543 85.097,53.543 86.323,53.543 87.549,53.543 88.797,53.543 90.023,53.543 131.724,53.772 131.724,54.534 131.724,55.321 131.724,56.109 131.793,73.787 133.019,73.787 134.245,73.787 135.471,73.787 136.697,73.787 131.801,74.696 133.027,74.696 134.252,74.696 135.478,74.696 136.697,74.696 137.719,74.696 131.482,88.544 132.708,88.544 133.934,88.544 135.16,88.544 136.386,88.544 131.482,89.433 132.708,89.433 133.934,89.433 135.16,89.433 136.386,89.433 137.465,89.433
+9V6S: P1.P P2.P Q.3 R14.1 R17.2 | length 18.1
  Top Layer w0.254: R17.2@100.787,41.342 100.937,41.342 103.9,38.379 103.9,34.031 ; P1.P@101.107,31.239 103.9,34.031 ; R14.1@108.652,33.985 107.442,33.985 106.578,34.849 104.717,34.849 103.9,34.031
+9V6U: D14.1 P3.P Q.1 R20.2 R27.1 | length 16
  Top Layer w0.254: R20.2@69.901,41.088 69.901,38.278 ; R27.1@72.949,41.088 72.799,41.088 69.989,38.278 69.901,38.278 ; P3.P@74.93,31.344 69.901,36.373 69.901,38.278
Antenna: FL1.2 J1.1 | length 7.9
  Top Layer w0.349: FL1.2@82.728,144.475 84.582,144.475 85.928,145.821 J1.1@90.119,145.821
CLK: B3.J3 J.5 | length 45.2
  Top Layer w0.1: J.5@43.437,108.372 v1(45.644,108.372) ; v1(58.496,108.483) 72.796,94.183 v1(78.207,94.183) ; v1(81.515,92.68) 81.52,92.68 B3.J3@81.922,92.278
  Bottom Layer w0.1: v1(45.644,108.372) 45.699,108.428 58.44,108.428 v1(58.496,108.483) ; v1(78.207,94.183) 78.263,94.183 79.766,92.68 v1(81.515,92.68)
CLK_F: B3.L4 U3.6 | length 14.9
  Top Layer w0.1: U3.6@77.305,78.931 78.442,78.931 80.814,81.303 80.814,86.269 81.477,86.932 81.477,89.265 81.699,89.486 82.133,89.486 82.309,89.661 82.309,90.271 B3.L4@82.716,90.678
  Top Layer w0.254: B3.L4@82.716,90.678 B3.L4@82.722,90.678
CMD: B3.J4 J.3 | length 45.1
  Top Layer w0.1: J.3@43.437,106.172 43.488,106.223 v1(45.644,106.223) ; v1(62.967,106.248) 63.347,106.248 74.451,95.145 74.937,95.145 v1(74.96,95.168) ; v1(82.309,92.68) 82.315,92.68 82.716,92.278 B3.J4@82.722,92.278
  Bottom Layer w0.1: v1(45.644,106.223) 62.941,106.223 v1(62.967,106.248) ; v1(74.96,95.168) 77.17,95.168 77.788,94.55 78.489,94.55 79.974,93.066 81.813,93.066 81.827,93.079 81.91,93.079 v1(82.309,92.68)
CS_BMP: B2.6 B3.D11 | length 41.2
  Top Layer w0.1: B2.6@67.411,109.445 64.977,109.445 64.338,110.084 64.338,112.014 65.38,113.055 71.258,113.055 81.315,102.998 88.616,102.998 88.789,102.825 v1(88.824,102.825) ; B3.D11@88.322,96.294 v1@88.71,96.681
  Top Layer w0.15: B3.D11@88.322,96.278 B3.D11@88.322,96.294 ; v1@88.71,96.681 v1(88.71,96.697)
  Bottom Layer w0.1: v1(88.71,96.697) 88.71,96.778 88.824,96.893 v1(88.824,102.825)
CS_F: B3.L3 U3.1 | length 15.4
  Top Layer w0.1: U3.1@73.405,80.531 73.405,81.762 77.889,86.246 77.889,89.566 78.595,90.271 81.515,90.271 B3.L3@81.922,90.678
CS_SX: B3.D7 U6.19 | length 45.8
  Top Layer w0.1: U6.19@81.248,127.16 v1@81.248,127.973 ; v1(84.685,96.734) 84.685,96.724 85.122,96.287 B3.D7@85.122,96.278 ; v1(84.76,104.572) 86.187,105.999 v1(86.187,106.347)
  Top Layer w0.15: U6.19@81.235,127.147 U6.19@81.248,127.16 ; v1@81.248,127.973 v1(81.262,127.987)
  Bottom Layer w0.1: v1(81.262,127.987) 82.549,129.274 89.065,129.274 90.627,127.711 90.627,125.959 90.627,120.662 86.187,116.222 v1(86.187,106.347) ; v1(84.685,96.734) 84.311,97.108 84.311,104.071 84.76,104.52 v1(84.76,104.572)
D10: B3.D10 U2.12 | length 38.5
  Top Layer w0.1: v1(87.11,96.697) 87.11,96.694 87.522,96.281 B3.D10@87.522,96.278 ; v2(93.169,103.245) 93.727,103.245 95.778,101.194 104.191,101.194 105.283,100.101 v2(105.283,97.13) ; v2(108.28,93.751) U2.12@108.991,93.751
  Bottom Layer w0.1: v1(87.11,96.697) 86.709,97.098 86.709,104.87 87.554,105.715 90.699,105.715 v2(93.169,103.245) ; v2(105.283,97.13) 105.283,96.748 v2(108.28,93.751)